# Altium PCB as_x31.PcbDoc (part 1 of 4) (continued)
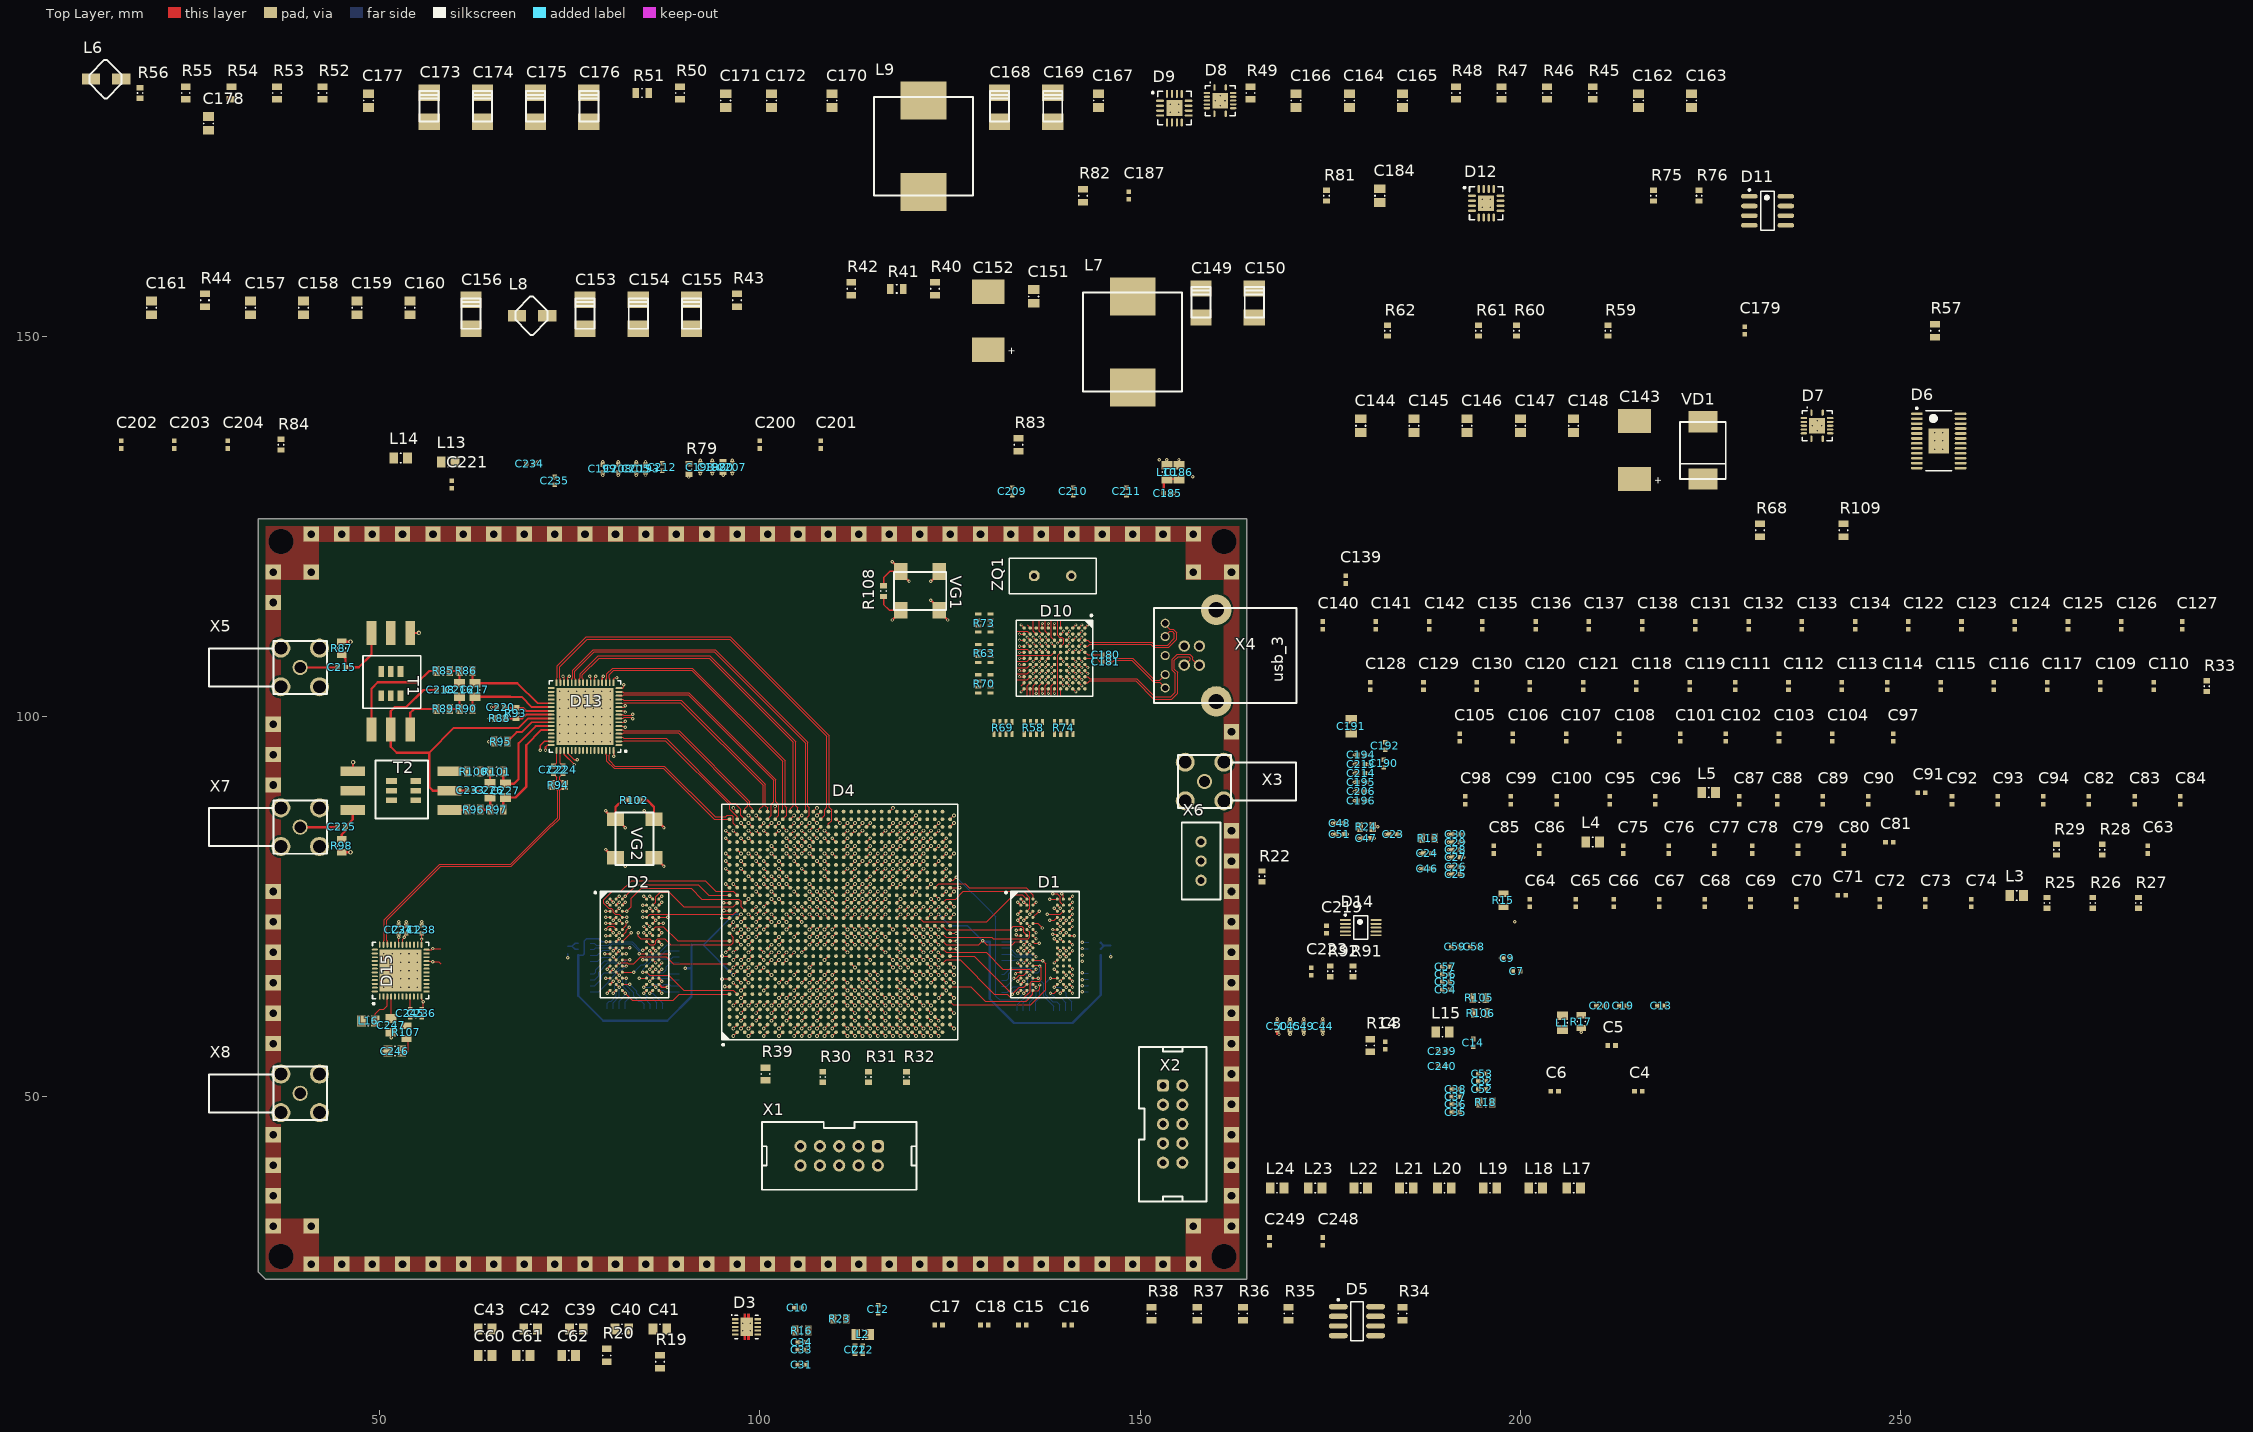
[diagram p0: Top Layer view]
## Classes and differential pairs (continued)
net class ddr0_a_c: DDR0_A0 DDR0_A1 DDR0_A2 DDR0_A3 DDR0_A4 DDR0_A5 DDR0_A6 DDR0_A7 DDR0_A8 DDR0_A9 DDR0_A10 DDR0_A11 DDR0_A12 DDR0_A13 DDR0_A14 DDR0_BA0 DDR0_BA1 DDR0_BA2 DDR0_CAS DDR0_CK_N DDR0_CK_P DDR0_CS DDR0_RAS DDR0_WE
differential pair D_ADC_CLK_: +ADC_CLK_P -ADC_CLK_N
differential pair D_ADC_D0_: +ADC_D0_P -ADC_D0_N
differential pair D_ADC_D1_: +ADC_D1_P -ADC_D1_N
differential pair D_ADC_D2_: +ADC_D2_P -ADC_D2_N
differential pair D_ADC_D3_: +ADC_D3_P -ADC_D3_N
differential pair D_ADC_D4_: +ADC_D4_P -ADC_D4_N
differential pair D_ADC_D5_: +ADC_D5_P -ADC_D5_N
differential pair D_ADC_D6_: +ADC_D6_P -ADC_D6_N
differential pair D_ADC_D7_: +ADC_D7_P -ADC_D7_N
differential pair D_ADC_D8_: +ADC_D8_P -ADC_D8_N
differential pair D_ADC_D9_: +ADC_D9_P -ADC_D9_N
differential pair D_ADC_D10_: +ADC_D10_P -ADC_D10_N
differential pair D_ADC_D11_: +ADC_D11_P -ADC_D11_N
differential pair D_ADC_D12_: +ADC_D12_P -ADC_D12_N
differential pair D_ADC_D13_: +ADC_D13_P -ADC_D13_N
differential pair D_ADC_DCO_: +ADC_DCO_P -ADC_DCO_N
differential pair D_DDR0_CK_: +DDR0_CK_P -DDR0_CK_N
differential pair D_DDR0_DQS0_: +DDR0_DQS0_P -DDR0_DQS0_N
differential pair D_DDR0_DQS1_: +DDR0_DQS1_P -DDR0_DQS1_N
differential pair D_DDR1_CK_: +DDR1_CK_P -DDR1_CK_N
differential pair D_DDR1_DQS0_: +DDR1_DQS0_P -DDR1_DQS0_N
differential pair D_DDR1_DQS1_: +DDR1_DQS1_P -DDR1_DQS1_N
differential pair USB: +USB_P -USB_N
differential pair SS_TX: +SS_TX_P -SS_TX_N
differential pair SS_RX: +SS_RX_P -SS_RX_N

## Components (designator, comment, footprint, x,y, rotation, side; value= is the part's Value field where it differs from the comment)
C1 "CAP 1uF 10V 0402(1005)" CAPC0402(1005)60_M 146.1,69.4 r90 bottom
C2 "CAP 1uF 10V 0402(1005)" CAPC0402(1005)60_M 74.7,69.3 r90 bottom
C3 "CAP 1uF 10V 0402(1005)" CAPC0402(1005)60_M 198.25,73 r180 bottom
C4 "CAP 1uF 10V 0402(1005)" CAPC0402(1005)60_M 215.5,50.75 r0 top
C5 "CAP 1uF 10V 0402(1005)" CAPC0402(1005)60_M 212,56.75 r0 top
C6 "CAP 1uF 10V 0402(1005)" CAPC0402(1005)60_M 204.5,50.75 r0 top
C7 "CAP 1uF 10V 0402(1005)" CAPC0402(1005)60_M 199.5,66.5 r0 top
C8 "CAP 1uF 10V 0402(1005)" CAPC0402(1005)60_M 182.25,56.75 r270 top
C9 "CAP 1uF 10V 0402(1005)" CAPC0402(1005)60_M 198.25,68.25 r180 top
C10 "CAP 1uF 10V 0402(1005)" CAPC0402(1005)60_M 105,22.25 r180 top
C11 "CAP 1uF 10V 0402(1005)" CAPC0402(1005)60_M 198.75,69.25 r180 bottom
C12 "CAP 1uF 10V 0402(1005)" CAPC0402(1005)60_M 115.55,22.075 r90 top
C13 "CAP 1uF 10V 0402(1005)" CAPC0402(1005)60_M 218.5,62 r0 top
C14 "CAP 1uF 10V 0402(1005)" CAPC0402(1005)60_M 193.775,57.1 r270 top
C15 "CAP 1uF 10V 0402(1005)" CAPC0402(1005)60_M 134.5,20 r0 top
C16 "CAP 1uF 10V 0402(1005)" CAPC0402(1005)60_M 140.5,20 r0 top
C17 "CAP 1uF 10V 0402(1005)" CAPC0402(1005)60_M 123.5,20 r0 top
C18 "CAP 1uF 10V 0402(1005)" CAPC0402(1005)60_M 129.5,20 r0 top
C19 "CAP 1uF 10V 0402(1005)" CAPC0402(1005)60_M 213.5,62 r0 top
C20 "CAP 1uF 10V 0402(1005)" CAPC0402(1005)60_M 210.5,62 r180 top
C21 "CAP 1uF 10V 0402(1005)" CAPC0402(1005)60_M 112.5,16.75 r90 top
C22 "CAP 1uF 10V 0402(1005)" CAPC0402(1005)60_M 113.5,16.75 r90 top
C23 "CAP 1uF 10V 0402(1005)" CAPC0402(1005)60_M 183.25,84.5 r180 top
C24 "CAP 1uF 10V 0402(1005)" CAPC0402(1005)60_M 187.75,82 r180 top
C25 "CAP 1uF 10V 0402(1005)" CAPC0402(1005)60_M 191.5,79.25 r180 top
C26 "CAP 1uF 10V 0402(1005)" CAPC0402(1005)60_M 191.5,80.25 r180 top
C27 "CAP 1uF 10V 0402(1005)" CAPC0402(1005)60_M 191.5,81.5 r180 top
C28 "CAP 1uF 10V 0402(1005)" CAPC0402(1005)60_M 191.5,82.5 r180 top
C29 "CAP 1uF 10V 0402(1005)" CAPC0402(1005)60_M 191.5,83.5 r180 top
C30 "CAP 1uF 10V 0402(1005)" CAPC0402(1005)60_M 191.5,84.5 r180 top
C31 "CAP 1uF 10V 0402(1005)" CAPC0402(1005)60_M 105.5,14.75 r180 top
C32 "CAP 1uF 10V 0402(1005)" CAPC0402(1005)60_M 194.95,52.025 r0 top
C33 "CAP 1uF 10V 0402(1005)" CAPC0402(1005)60_M 105.5,16.75 r180 top
C34 "CAP 1uF 10V 0402(1005)" CAPC0402(1005)60_M 105.5,17.75 r180 top
C35 "CAP 1uF 10V 0402(1005)" CAPC0402(1005)60_M 191.5,48 r180 top
C36 "CAP 1uF 10V 0402(1005)" CAPC0402(1005)60_M 191.5,49 r180 top
C37 "CAP 1uF 10V 0402(1005)" CAPC0402(1005)60_M 191.5,50 r180 top
C38 "CAP 1uF 10V 0402(1005)" CAPC0402(1005)60_M 191.5,51 r180 top
C39 "CAP_0805" CAPC0805(2012)100_N 75.85,19.5 r0 top
C40 "CAP_0805" CAPC0805(2012)100_N 81.85,19.5 r0 top
C41 "CAP_0805" CAPC0805(2012)100_N 86.85,19.5 r0 top
C42 "CAP_0805" CAPC0805(2012)100_N 69.85,19.5 r0 top
C43 "CAP_0805" CAPC0805(2012)100_N 63.85,19.5 r0 top
C44 "CAP 1uF 10V 0402(1005)" CAPC0402(1005)60_M 174,59.25 r90 top
C45 "CAP 1uF 10V 0402(1005)" CAPC0402(1005)60_M 169.7,59.25 r90 top
C46 "CAP 1uF 10V 0402(1005)" CAPC0402(1005)60_M 187.75,80 r180 top
C47 "CAP 1uF 10V 0402(1005)" CAPC0402(1005)60_M 179.75,84 r180 top
C48 "CAP 1uF 10V 0402(1005)" CAPC0402(1005)60_M 176.25,86 r0 top
C49 "CAP 1uF 10V 0402(1005)" CAPC0402(1005)60_M 171.5,59.25 r90 top
C50 "CAP 1uF 10V 0402(1005)" CAPC0402(1005)60_M 168,59.25 r90 top
C51 "CAP 1uF 10V 0402(1005)" CAPC0402(1005)60_M 176.25,84.5 r0 top
C52 "CAP 1uF 10V 0402(1005)" CAPC0402(1005)60_M 194.95,51.025 r0 top
C53 "CAP 1uF 10V 0402(1005)" CAPC0402(1005)60_M 194.95,53.025 r0 top
C54 "CAP 1uF 10V 0402(1005)" CAPC0402(1005)60_M 190.2,64.1 r180 top
C55 "CAP 1uF 10V 0402(1005)" CAPC0402(1005)60_M 190.2,65.1 r180 top
C56 "CAP 1uF 10V 0402(1005)" CAPC0402(1005)60_M 190.2,66.1 r180 top
C57 "CAP 1uF 10V 0402(1005)" CAPC0402(1005)60_M 190.2,67.1 r180 top
C58 "CAP 1uF 10V 0402(1005)" CAPC0402(1005)60_M 193.925,69.725 r180 top
C59 "CAP 1uF 10V 0402(1005)" CAPC0402(1005)60_M 191.425,69.725 r180 top
C60 "CAP_0805" CAPC0805(2012)100_N 63.85,16 r0 top
C61 "CAP_0805" CAPC0805(2012)100_N 68.85,16 r0 top
C62 "CAP_0805" CAPC0805(2012)100_N 74.85,16 r0 top
C63 "CAP 1uF 10V 0402(1005)" CAPC0402(1005)60_M 282.5,82.5 r90 top
C64 "CAP 1uF 10V 0402(1005)" CAPC0402(1005)60_M 201.25,75.5 r90 top
C65 "CAP 1uF 10V 0402(1005)" CAPC0402(1005)60_M 207.25,75.5 r90 top
C66 "CAP 1uF 10V 0402(1005)" CAPC0402(1005)60_M 212.25,75.5 r90 top
C67 "CAP 1uF 10V 0402(1005)" CAPC0402(1005)60_M 218.25,75.5 r90 top
C68 "CAP 1uF 10V 0402(1005)" CAPC0402(1005)60_M 224.25,75.5 r90 top
C69 "CAP 1uF 10V 0402(1005)" CAPC0402(1005)60_M 230.25,75.5 r90 top
C70 "CAP 1uF 10V 0402(1005)" CAPC0402(1005)60_M 236.25,75.5 r90 top
C71 "CAP 1uF 10V 0402(1005)" CAPC0402(1005)60_M 242.25,76.5 r0 top
C72 "CAP 1uF 10V 0402(1005)" CAPC0402(1005)60_M 247.25,75.5 r90 top
C73 "CAP 1uF 10V 0402(1005)" CAPC0402(1005)60_M 253.25,75.5 r90 top
C74 "CAP 1uF 10V 0402(1005)" CAPC0402(1005)60_M 259.25,75.5 r90 top
C75 "CAP 1uF 10V 0402(1005)" CAPC0402(1005)60_M 213.5,82.5 r90 top
C76 "CAP 1uF 10V 0402(1005)" CAPC0402(1005)60_M 219.5,82.5 r90 top
C77 "CAP 1uF 10V 0402(1005)" CAPC0402(1005)60_M 225.5,82.5 r90 top
C78 "CAP 1uF 10V 0402(1005)" CAPC0402(1005)60_M 230.5,82.5 r90 top
C79 "CAP 1uF 10V 0402(1005)" CAPC0402(1005)60_M 236.5,82.5 r90 top
C80 "CAP 1uF 10V 0402(1005)" CAPC0402(1005)60_M 242.5,82.5 r90 top
C81 "CAP 1uF 10V 0402(1005)" CAPC0402(1005)60_M 248.5,83.5 r0 top
C82 "CAP 1uF 10V 0402(1005)" CAPC0402(1005)60_M 274.75,89 r90 top
C83 "CAP 1uF 10V 0402(1005)" CAPC0402(1005)60_M 280.75,89 r90 top
C84 "CAP 1uF 10V 0402(1005)" CAPC0402(1005)60_M 286.75,89 r90 top
C85 "CAP 1uF 10V 0402(1005)" CAPC0402(1005)60_M 196.5,82.5 r90 top
C86 "CAP 1uF 10V 0402(1005)" CAPC0402(1005)60_M 202.5,82.5 r90 top
C87 "CAP 1uF 10V 0402(1005)" CAPC0402(1005)60_M 228.75,89 r90 top
C88 "CAP 1uF 10V 0402(1005)" CAPC0402(1005)60_M 233.75,89 r90 top
C89 "CAP 1uF 10V 0402(1005)" CAPC0402(1005)60_M 239.75,89 r90 top
C90 "CAP 1uF 10V 0402(1005)" CAPC0402(1005)60_M 245.75,89 r90 top
C91 "CAP 1uF 10V 0402(1005)" CAPC0402(1005)60_M 252.75,90 r0 top
C92 "CAP 1uF 10V 0402(1005)" CAPC0402(1005)60_M 256.75,89 r90 top
C93 "CAP 1uF 10V 0402(1005)" CAPC0402(1005)60_M 262.75,89 r90 top
C94 "CAP 1uF 10V 0402(1005)" CAPC0402(1005)60_M 268.75,89 r90 top
C95 "CAP 1uF 10V 0402(1005)" CAPC0402(1005)60_M 211.75,89 r90 top
C96 "CAP 1uF 10V 0402(1005)" CAPC0402(1005)60_M 217.75,89 r90 top
C97 "CAP 1uF 10V 0402(1005)" CAPC0402(1005)60_M 249,97.25 r90 top
C98 "CAP 1uF 10V 0402(1005)" CAPC0402(1005)60_M 192.75,89 r90 top
C99 "CAP 1uF 10V 0402(1005)" CAPC0402(1005)60_M 198.75,89 r90 top
C100 "CAP 1uF 10V 0402(1005)" CAPC0402(1005)60_M 204.75,89 r90 top
C101 "CAP 1uF 10V 0402(1005)" CAPC0402(1005)60_M 221,97.25 r90 top
C102 "CAP 1uF 10V 0402(1005)" CAPC0402(1005)60_M 227,97.25 r90 top
C103 "CAP 1uF 10V 0402(1005)" CAPC0402(1005)60_M 234,97.25 r90 top
C104 "CAP 1uF 10V 0402(1005)" CAPC0402(1005)60_M 241,97.25 r90 top
C105 "CAP 1uF 10V 0402(1005)" CAPC0402(1005)60_M 192,97.25 r90 top
C106 "CAP 1uF 10V 0402(1005)" CAPC0402(1005)60_M 199,97.25 r90 top
C107 "CAP 1uF 10V 0402(1005)" CAPC0402(1005)60_M 206,97.25 r90 top
C108 "CAP 1uF 10V 0402(1005)" CAPC0402(1005)60_M 213,97.25 r90 top
C109 "CAP 1uF 10V 0402(1005)" CAPC0402(1005)60_M 276.25,104 r90 top
C110 "CAP 1uF 10V 0402(1005)" CAPC0402(1005)60_M 283.25,104 r90 top
C111 "CAP 1uF 10V 0402(1005)" CAPC0402(1005)60_M 228.25,104 r90 top
C112 "CAP 1uF 10V 0402(1005)" CAPC0402(1005)60_M 235.25,104 r90 top
C113 "CAP 1uF 10V 0402(1005)" CAPC0402(1005)60_M 242.25,104 r90 top
C114 "CAP 1uF 10V 0402(1005)" CAPC0402(1005)60_M 248.25,104 r90 top
C115 "CAP 1uF 10V 0402(1005)" CAPC0402(1005)60_M 255.25,104 r90 top
C116 "CAP 1uF 10V 0402(1005)" CAPC0402(1005)60_M 262.25,104 r90 top
C117 "CAP 1uF 10V 0402(1005)" CAPC0402(1005)60_M 269.25,104 r90 top
C118 "CAP 1uF 10V 0402(1005)" CAPC0402(1005)60_M 215.25,104 r90 top
C119 "CAP 1uF 10V 0402(1005)" CAPC0402(1005)60_M 222.25,104 r90 top
C120 "CAP 1uF 10V 0402(1005)" CAPC0402(1005)60_M 201.25,104 r90 top
C121 "CAP 1uF 10V 0402(1005)" CAPC0402(1005)60_M 208.25,104 r90 top
C122 "CAP 1uF 10V 0402(1005)" CAPC0402(1005)60_M 251,112 r90 top
C123 "CAP 1uF 10V 0402(1005)" CAPC0402(1005)60_M 258,112 r90 top
C124 "CAP 1uF 10V 0402(1005)" CAPC0402(1005)60_M 265,112 r90 top
C125 "CAP 1uF 10V 0402(1005)" CAPC0402(1005)60_M 272,112 r90 top
C126 "CAP 1uF 10V 0402(1005)" CAPC0402(1005)60_M 279,112 r90 top
C127 "CAP 1uF 10V 0402(1005)" CAPC0402(1005)60_M 287,112 r90 top
C128 "CAP 1uF 10V 0402(1005)" CAPC0402(1005)60_M 180.25,104 r90 top
C129 "CAP 1uF 10V 0402(1005)" CAPC0402(1005)60_M 187.25,104 r90 top
C130 "CAP 1uF 10V 0402(1005)" CAPC0402(1005)60_M 194.25,104 r90 top
C131 "CAP 1uF 10V 0402(1005)" CAPC0402(1005)60_M 223,112 r90 top
C132 "CAP 1uF 10V 0402(1005)" CAPC0402(1005)60_M 230,112 r90 top
C133 "CAP 1uF 10V 0402(1005)" CAPC0402(1005)60_M 237,112 r90 top
C134 "CAP 1uF 10V 0402(1005)" CAPC0402(1005)60_M 244,112 r90 top
C135 "CAP 1uF 10V 0402(1005)" CAPC0402(1005)60_M 195,112 r90 top
C136 "CAP 1uF 10V 0402(1005)" CAPC0402(1005)60_M 202,112 r90 top
C137 "CAP 1uF 10V 0402(1005)" CAPC0402(1005)60_M 209,112 r90 top
C138 "CAP 1uF 10V 0402(1005)" CAPC0402(1005)60_M 216,112 r90 top
C139 "CAP 1uF 10V 0402(1005)" CAPC0402(1005)60_M 177,118 r90 top
C140 "CAP 1uF 10V 0402(1005)" CAPC0402(1005)60_M 174,112 r90 top
C141 "CAP 1uF 10V 0402(1005)" CAPC0402(1005)60_M 181,112 r90 top
C142 "CAP 1uF 10V 0402(1005)" CAPC0402(1005)60_M 188,112 r90 top
C143 "AVX_D" AVX_D 215,131.25 r90 top
C144 "CAP_0805" CAPC0805(2012)100_N 179,138.25 r90 top
C145 "CAP_0805" CAPC0805(2012)100_N 186,138.25 r90 top
C146 "CAP_0805" CAPC0805(2012)100_N 193,138.25 r90 top
C147 "CAP_0805" CAPC0805(2012)100_N 200,138.25 r90 top
C148 "CAP_0805" CAPC0805(2012)100_N 207,138.25 r90 top
C149 "avx_b" avx_b 158,152.25 r90 top
C150 "avx_b" avx_b 165,152.25 r90 top
C151 "CAP_0805" CAPC0805(2012)100_N 136,155.25 r90 top
C152 "AVX_D" AVX_D 130,148.25 r90 top
C153 "avx_b" avx_b 77,150.75 r90 top
C154 "avx_b" avx_b 84,150.75 r90 top
C155 "avx_b" avx_b 91,150.75 r90 top
C156 "avx_b" avx_b 62,150.75 r90 top
C157 "CAP_0805" CAPC0805(2012)100_N 33,153.75 r90 top
C158 "CAP_0805" CAPC0805(2012)100_N 40,153.75 r90 top
C159 "CAP_0805" CAPC0805(2012)100_N 47,153.75 r90 top
C160 "CAP_0805" CAPC0805(2012)100_N 54,153.75 r90 top
C161 "CAP_0805" CAPC0805(2012)100_N 20,153.75 r90 top
C162 "CAP_0805" CAPC0805(2012)100_N 215.5,181 r90 top
C163 "CAP_0805" CAPC0805(2012)100_N 222.5,181 r90 top
C164 "CAP_0805" CAPC0805(2012)100_N 177.5,181 r90 top
C165 "CAP_0805" CAPC0805(2012)100_N 184.5,181 r90 top
C166 "CAP_0805" CAPC0805(2012)100_N 170.5,181 r90 top
C167 "CAP_0805" CAPC0805(2012)100_N 144.5,181 r90 top
C168 "avx_b" avx_b 131.5,178 r90 top
C169 "avx_b" avx_b 138.5,178 r90 top
C170 "CAP_0805" CAPC0805(2012)100_N 109.5,181 r90 top
C171 "CAP_0805" CAPC0805(2012)100_N 95.5,181 r90 top
C172 "CAP_0805" CAPC0805(2012)100_N 101.5,181 r90 top
C173 "avx_b" avx_b 56.5,178 r90 top
C174 "avx_b" avx_b 63.5,178 r90 top
C175 "avx_b" avx_b 70.5,178 r90 top
C176 "avx_b" avx_b 77.5,178 r90 top
C177 "CAP_0805" CAPC0805(2012)100_N 48.5,181 r90 top
C178 "CAP_0805" CAPC0805(2012)100_N 27.5,178 r90 top
C179 "CAP 1uF 10V 0402(1005)" CAPC0402(1005)60_M 229.5,150.75 r90 top
C180 "CAP 1uF 10V 0402(1005)" CAPC0402(1005)60_M 145.5,108.1 r180 top
C181 "CAP 1uF 10V 0402(1005)" CAPC0402(1005)60_M 145.5,107.2 r180 top
C182 "CAP_0805" CAPC0805(2012)100_N 134,118.5 r90 bottom
C183 "CAP_0805" CAPC0805(2012)100_N 143,118.5 r90 bottom
C184 "CAP_0805" CAPC0805(2012)100_N 181.5,168.5 r90 top
C185 "CAP 1uF 10V 0402(1005)" CAPC0402(1005)60_M 153.6,129.35 r180 top
C186 "CAP_0805" CAPC0805(2012)100_N 155.1,132.15 r270 top
C187 "CAP 1uF 10V 0402(1005)" CAPC0402(1005)60_M 148.5,168.5 r90 top
C188 "CAP 1uF 10V 0402(1005)" CAPC0402(1005)60_M 156.4,128.35 r180 bottom
C189 "CAP_0805" CAPC0805(2012)100_N 155.3,131.55 r180 bottom
C190 "CAP 1uF 10V 0402(1005)" CAPC0402(1005)60_M 182.05,93.85 r270 top
C191 "CAP_0805" CAPC0805(2012)100_N 177.75,98.75 r270 top
C192 "CAP 1uF 10V 0402(1005)" CAPC0402(1005)60_M 182.25,96.15 r270 top
C193 "CAP 1uF 10V 0402(1005)" CAPC0402(1005)60_M 84.95,132.6 r270 top
C194 "CAP 1uF 10V 0402(1005)" CAPC0402(1005)60_M 179.05,94.95 r180 top
C195 "CAP 1uF 10V 0402(1005)" CAPC0402(1005)60_M 179.05,91.35 r180 top
C196 "CAP 1uF 10V 0402(1005)" CAPC0402(1005)60_M 179.05,88.95 r180 top
C197 "CAP 1uF 10V 0402(1005)" CAPC0402(1005)60_M 93.75,132.8 r90 top
C198 "CAP 1uF 10V 0402(1005)" CAPC0402(1005)60_M 92.15,132.8 r90 top
C199 "CAP 1uF 10V 0402(1005)" CAPC0402(1005)60_M 79.35,132.6 r270 top
C200 "CAP 1uF 10V 0402(1005)" CAPC0402(1005)60_M 100,135.75 r90 top
C201 "CAP 1uF 10V 0402(1005)" CAPC0402(1005)60_M 108,135.75 r90 top
C202 "CAP 1uF 10V 0402(1005)" CAPC0402(1005)60_M 16,135.75 r90 top
C203 "CAP 1uF 10V 0402(1005)" CAPC0402(1005)60_M 23,135.75 r90 top
C204 "CAP 1uF 10V 0402(1005)" CAPC0402(1005)60_M 30,135.75 r90 top
C205 "CAP 1uF 10V 0402(1005)" CAPC0402(1005)60_M 83.75,132.6 r270 top
C206 "CAP 1uF 10V 0402(1005)" CAPC0402(1005)60_M 179.05,90.15 r180 top
C207 "CAP 1uF 10V 0402(1005)" CAPC0402(1005)60_M 96.35,132.8 r90 top
C208 "CAP 1uF 10V 0402(1005)" CAPC0402(1005)60_M 81.35,132.6 r270 top
C209 "CAP 1uF 10V 0402(1005)" CAPC0402(1005)60_M 133.2,129.6 r90 top
C210 "CAP 1uF 10V 0402(1005)" CAPC0402(1005)60_M 141.2,129.6 r90 top
C211 "CAP 1uF 10V 0402(1005)" CAPC0402(1005)60_M 148.2,129.6 r90 top
C212 "CAP 1uF 10V 0402(1005)" CAPC0402(1005)60_M 87.15,132.8 r270 top
C213 "CAP 1uF 10V 0402(1005)" CAPC0402(1005)60_M 179.05,93.75 r180 top
C214 "CAP 1uF 10V 0402(1005)" CAPC0402(1005)60_M 179.05,92.55 r180 top
C215 "CAP 1uF 10V 0402(1005)" CAPC0402(1005)60_M 45,106.5 r0 top
C216 "CAP_0805" CAPC0805(2012)100_N 60.5,103.5 r90 top
C217 "CAP_0805" CAPC0805(2012)100_N 62.5,103.5 r90 top
C218 "CAP 1uF 10V 0402(1005)" CAPC0402(1005)60_M 58,103.5 r0 top
C219 "CAP 1uF 10V 0402(1005)" CAPC0402(1005)60_M 174.5,72 r90 top
C220 "CAP 1uF 10V 0402(1005)" CAPC0402(1005)60_M 65.9,101.2 r180 top
C221 "CAP 1uF 10V 0402(1005)" CAPC0402(1005)60_M 59.45,130.5 r90 top
C222 "CAP 1uF 10V 0402(1005)" CAPC0402(1005)60_M 72.85,93 r90 top
C223 "CAP 1uF 10V 0402(1005)" CAPC0402(1005)60_M 172.5,66.5 r90 top
C224 "CAP 1uF 10V 0402(1005)" CAPC0402(1005)60_M 74.1,93 r90 top
C225 "CAP 1uF 10V 0402(1005)" CAPC0402(1005)60_M 45,85.5 r0 top
C226 "CAP_0805" CAPC0805(2012)100_N 64.5,90.3 r270 top
C227 "CAP_0805" CAPC0805(2012)100_N 66.54,90.26 r270 top
C228 "CAP 1uF 10V 0402(1005)" CAPC0402(1005)60_M 69.25,130.5 r90 bottom
C229 "CAP 1uF 10V 0402(1005)" CAPC0402(1005)60_M 67,136.5 r270 bottom
C230 "CAP 1uF 10V 0402(1005)" CAPC0402(1005)60_M 63.25,131 r180 bottom
C231 "CAP 1uF 10V 0402(1005)" CAPC0402(1005)60_M 64.5,133.75 r180 bottom
C232 "CAP 1uF 10V 0402(1005)" CAPC0402(1005)60_M 64.5,134.75 r180 bottom
C233 "CAP 1uF 10V 0402(1005)" CAPC0402(1005)60_M 62,90.3 r0 top
C234 "CAP 1uF 10V 0402(1005)" CAPC0402(1005)60_M 69.75,133.25 r180 top
C235 "CAP 1uF 10V 0402(1005)" CAPC0402(1005)60_M 73,131 r270 top
C236 "CAP 1uF 10V 0402(1005)" CAPC0402(1005)60_M 55.5,61 r90 top
C237 "CAP 1uF 10V 0402(1005)" CAPC0402(1005)60_M 52.5,72 r270 top
C238 "CAP 1uF 10V 0402(1005)" CAPC0402(1005)60_M 55.5,72 r270 top
C239 "CAP 1uF 10V 0402(1005)" CAPC0402(1005)60_M 189.75,56 r180 top
C240 "CAP 1uF 10V 0402(1005)" CAPC0402(1005)60_M 189.75,54 r180 top
C241 "CAP 1uF 10V 0402(1005)" CAPC0402(1005)60_M 53.5,72 r270 top
C242 "CAP 1uF 10V 0402(1005)" CAPC0402(1005)60_M 39.5,53 r90 bottom
C243 "CAP 1uF 10V 0402(1005)" CAPC0402(1005)60_M 42.5,65.1 r270 bottom
C244 "CAP 1uF 10V 0402(1005)" CAPC0402(1005)60_M 43.9,65.1 r270 bottom
C245 "CAP 1uF 10V 0402(1005)" CAPC0402(1005)60_M 54,61 r90 top
C246 "CAP_0805" CAPC0805(2012)100_N 52,56 r0 top
C247 "CAP_0805" CAPC0805(2012)100_N 51.5,59.4 r90 top
C248 "CAP 1uF 10V 0402(1005)" CAPC0402(1005)60_M 174,31 r90 top
C249 "CAP 1uF 10V 0402(1005)" CAPC0402(1005)60_M 167,31 r90 top
D1 "MT41J256M16HA-125" MICT-HA-96 137.5,70 r0 top locked
D2 "MT41J256M16HA-125" MICT-HA-96 83.5,70 r0 top locked
D3 "TPS51200DRCT" TI-DRC10-2400X1650TP_V 98.25,19.75 r0 top
D4 "5CEFA7F31C8N" ALTR-896-FBGA-2000A 110.5,73 r90 top locked
D5 "SN65HVD78" 8S1_M 178.5,20.5 r0 top
D6 "LTC3615EFE#PBF" LT-FE-24-EPV-AA_N 255,136.25 r0 top
D7 "TPS54620RGYR" RGY14-2050X2050TP 239,138.25 r0 top
D8 "TPS54620RGYR" RGY14-2050X2050TP 160.5,181 r0 top
D9 "ADP1741" CP-16-4_N 154.5,180 r0 top
D10 "CYUSB3014" BGA121C80P11X11 138.729,107.646 r270 top locked
D11 "AT24C64(soic)" 8S1_N 232.5,166.5 r0 top
D12 "ADP1741" CP-16-4_N 195.5,167.5 r0 top
D13 "AD9640ABCPZ-125" CP-64-6_N 77,100 r180 top
D14 "AD5322ARM" RM-10_L 179,72.25 r0 top
D15 "AD9517-4ABCPZ" ADI-CP-48-8_L 52.75,66.6 r90 top
L1 "BLM21PG300SN1D" CAPC0805(2012)100_N 205.5,59.75 r90 top
L2 "BLM21PG300SN1D" CAPC0805(2012)100_N 113.5,18.75 r0 top
L3 "BLM21PG300SN1D" CAPC0805(2012)100_N 265.25,76.5 r0 top
L4 "BLM21PG300SN1D" CAPC0805(2012)100_N 209.5,83.5 r0 top
L5 "BLM21PG300SN1D" CAPC0805(2012)100_N 224.75,90 r0 top
L6 "IND_Sumida_CDRH3D16" IND_Sumida_CDRH3D16 13.986,183.865 r0 top
L7 "ind_cdr127_sumida" IND_CDR127_Sumida 149,149.25 r0 top
L8 "IND_Sumida_CDRH3D16" IND_Sumida_CDRH3D16 70,152.75 r0 top
L9 "ind_cdr127_sumida" IND_CDR127_Sumida 121.5,175 r0 top
L10 "BLM21PG300SN1D" CAPC0805(2012)100_N 153.5,132.15 r270 top
L11 "BLM21PG300SN1D" CAPC0805(2012)100_N 152.5,132.15 r270 bottom
L12 "BLM21PG300SN1D" CAPC0805(2012)100_N 181.85,90.65 r270 bottom
L13 "BLM21PG300SN1D" CAPC0805(2012)100_N 59,133.5 r0 top
L14 "BLM21PG300SN1D" CAPC0805(2012)100_N 52.75,134 r0 top
L15 "BLM21PG300SN1D" CAPC0805(2012)100_N 189.75,58.5 r0 top
L16 "BLM21PG300SN1D" CAPC0805(2012)100_N 48.5,60 r180 top
L17 "BLM21PG300SN1D" CAPC0805(2012)100_N 207,38 r0 top
L18 "BLM21PG300SN1D" CAPC0805(2012)100_N 202,38 r0 top
L19 "BLM21PG300SN1D" CAPC0805(2012)100_N 196,38 r0 top
L20 "BLM21PG300SN1D" CAPC0805(2012)100_N 190,38 r0 top
L21 "BLM21PG300SN1D" CAPC0805(2012)100_N 185,38 r0 top
L22 "BLM21PG300SN1D" CAPC0805(2012)100_N 179,38 r0 top
L23 "BLM21PG300SN1D" CAPC0805(2012)100_N 173,38 r0 top
L24 "BLM21PG300SN1D" CAPC0805(2012)100_N 168,38 r0 top
R1 "51" CAY16 144,70.25 r270 bottom
R2 "51" CAY16 76.9,67.8 r90 bottom
R3 "51" CAY16 131,63.75 r90 bottom
R4 "51" CAY16 131,67.975 r90 bottom
R5 "51" CAY16 76.9,63.8 r90 bottom
R6 "51" CAY16 144,66.25 r270 bottom
R7 "51" CAY16 90.2,70 r270 bottom
R8 "51" CAY16 87.2,60.8 r180 bottom
R9 "51" CAY16 136.25,60.5 r180 bottom
R10 "51" CAY16 82.3,60.8 r180 bottom
R11 "51" CAY16 141,60.5 r180 bottom
R12 "51" CAY16 90.2,66.2 r270 bottom
R13 "1K 1% 0805(2012)" RESC0805(2012)_L 187.9,84 r0 top
R14 "1K 1% 0805(2012)" RESC0805(2012)_L 180.25,56.75 r90 top
R15 "1K 1% 0805(2012)" RESC0805(2012)_L 197.75,75.85 r270 top
R16 "1K 1% 0805(2012)" RESC0805(2012)_L 105.5,19.25 r180 top
R17 "1K 1% 0805(2012)" RESC0805(2012)_L 208,59.9 r90 top
R18 "1K 1% 0805(2012)" RESC0805(2012)_L 195.45,49.275 r0 top
R19 "1K 1% 0805(2012)" RESC0805(2012)_L 86.85,15.15 r90 top
R20 "1K 1% 0805(2012)" RESC0805(2012)_L 79.85,16 r90 top
R22 "240" RESC0603(1608)_L 166,79 r90 top
R23 "1K 1% 0805(2012)" RESC0805(2012)_L 110.475,20.825 r180 top
R24 "1K 1% 0805(2012)" RESC0805(2012)_L 179.75,85.5 r0 top
R25 "1K 5% 0603(1608)" RESC0603(1608)_L 269.25,75.5 r90 top
R26 "1K 5% 0603(1608)" RESC0603(1608)_L 275.25,75.5 r90 top
R27 "1K 5% 0603(1608)" RESC0603(1608)_L 281.25,75.5 r90 top
R28 "1K 5% 0603(1608)" RESC0603(1608)_L 276.5,82.5 r90 top
R29 "1K 5% 0603(1608)" RESC0603(1608)_L 270.5,82.5 r90 top
R30 "1K 5% 0603(1608)" RESC0603(1608)_L 108.25,52.6 r90 top
R31 "1K 5% 0603(1608)" RESC0603(1608)_L 114.25,52.6 r90 top
R32 "1K 5% 0603(1608)" RESC0603(1608)_L 119.25,52.6 r90 top
R33 "1K 5% 0603(1608)" RESC0603(1608)_L 290.25,104 r90 top
R34 "1K 1% 0805(2012)" RESC0805(2012)_L 184.5,21.5 r90 top
R35 "1K 1% 0805(2012)" RESC0805(2012)_L 169.5,21.5 r90 top
R36 "1K 1% 0805(2012)" RESC0805(2012)_L 163.5,21.5 r90 top
R37 "1K 1% 0805(2012)" RESC0805(2012)_L 157.5,21.5 r90 top
R38 "1K 1% 0805(2012)" RESC0805(2012)_L 151.5,21.5 r90 top
R39 "1K 1% 0805(2012)" RESC0805(2012)_L 100.75,53 r90 top
R40 "1K 1% 0805(2012)" RESC0805(2012)_L 123,156.25 r90 top
R41 "1K 1% 0805(2012)" RESC0805(2012)_L 118,156.25 r0 top
R42 "1K 1% 0805(2012)" RESC0805(2012)_L 112,156.25 r90 top
R43 "1K 1% 0805(2012)" RESC0805(2012)_L 97,154.75 r90 top
R44 "1K 1% 0805(2012)" RESC0805(2012)_L 27,154.75 r90 top
R45 "1K 1% 0805(2012)" RESC0805(2012)_L 209.5,182 r90 top
R46 "1K 1% 0805(2012)" RESC0805(2012)_L 203.5,182 r90 top
R47 "1K 1% 0805(2012)" RESC0805(2012)_L 197.5,182 r90 top
R48 "1K 1% 0805(2012)" RESC0805(2012)_L 191.5,182 r90 top
R49 "1K 1% 0805(2012)" RESC0805(2012)_L 164.5,182 r90 top
R50 "1K 1% 0805(2012)" RESC0805(2012)_L 89.5,182 r90 top
R51 "1K 1% 0805(2012)" RESC0805(2012)_L 84.5,182 r0 top
R52 "1K 1% 0805(2012)" RESC0805(2012)_L 42.5,182 r90 top
R53 "1K 1% 0805(2012)" RESC0805(2012)_L 36.5,182 r90 top
R54 "1K 1% 0805(2012)" RESC0805(2012)_L 30.5,182 r90 top
R55 "1K 1% 0805(2012)" RESC0805(2012)_L 24.5,182 r90 top
R56 "1K 5% 0603(1608)" RESC0603(1608)_L 18.5,182 r90 top
R57 "1K 1% 0805(2012)" RESC0805(2012)_L 254.5,150.75 r90 top
R58 "22" CAY16 134.75,98.5 r0 top
R59 "1K 5% 0603(1608)" RESC0603(1608)_L 211.5,150.75 r90 top
R60 "???" RESC0603(1608)_L 199.5,150.75 r90 top
R61 "1K 5% 0603(1608)" RESC0603(1608)_L 194.5,150.75 r90 top
R62 "1K 5% 0603(1608)" RESC0603(1608)_L 182.5,150.75 r90 top
R63 "22" CAY16 129.5,109.5 r270 top
R64 "22" CAY16 129.5,102.5 r90 bottom
R65 "22" CAY16 137.75,98.5 r180 bottom
R66 "22" CAY16 129.5,106.5 r90 bottom
R67 "Value" CAY16 141.75,98.5 r180 bottom
R68 "1K 1% 0805(2012)" RESC0805(2012)_L 231.5,124.5 r90 top
R69 "22" CAY16 130.75,98.5 r0 top
R70 "22" CAY16 129.5,105.5 r270 top
R71 "22" CAY16 133.75,98.5 r180 bottom
R72 "22" CAY16 129.5,110.5 r90 bottom
R73 "22" CAY16 129.5,113.5 r270 top
R74 "22" CAY16 138.75,98.5 r0 top
R75 "1K 5% 0603(1608)" RESC0603(1608)_L 217.5,168.5 r90 top
R76 "1K 5% 0603(1608)" RESC0603(1608)_L 223.5,168.5 r90 top
R77 "1K 5% 0603(1608)" RESC0603(1608)_L 80.45,132.7 r90 bottom
R78 "1K 5% 0603(1608)" RESC0603(1608)_L 78.45,132.7 r90 bottom
R79 "1K 5% 0603(1608)" RESC0603(1608)_L 90.65,132.55 r270 top
R80 "1K 5% 0603(1608)" RESC0603(1608)_L 95.15,132.8 r270 top
R81 "1K 5% 0603(1608)" RESC0603(1608)_L 174.5,168.5 r90 top
R82 "1K 1% 0805(2012)" RESC0805(2012)_L 142.5,168.5 r90 top
R83 "1K 1% 0805(2012)" RESC0805(2012)_L 134,135.75 r90 top
R84 "1K 5% 0603(1608)" RESC0603(1608)_L 37,135.75 r90 top
R85 "1K 1% 0805(2012)" RESC0805(2012)_L 58.35,106 r180 top
R86 "1K 1% 0805(2012)" RESC0805(2012)_L 61.35,106 r180 top
R87 "1K 1% 0805(2012)" RESC0805(2012)_L 45,109 r270 top
R88 "1K 5% 0603(1608)" RESC0603(1608)_L 65.8,99.75 r0 top
R89 "1K 1% 0805(2012)" RESC0805(2012)_L 58.35,101 r180 top
R90 "1K 1% 0805(2012)" RESC0805(2012)_L 61.35,101 r180 top
R91 "1k" RESC0603(1608)_L 178,66.5 r90 top
R92 "1k" RESC0603(1608)_L 175,66.5 r90 top
R93 "1K 5% 0603(1608)" RESC0603(1608)_L 67.9,100.45 r90 top
R94 "100" RESC0805(2012)_L 73.5,91 r180 top
R95 "10k 1%" RESC0805(2012)_L 65.9,96.7 r180 top
R96 "1K 1% 0805(2012)" RESC0805(2012)_L 62.39,87.76 r180 top
R97 "1K 1% 0805(2012)" RESC0805(2012)_L 65.39,87.76 r180 top
R98 "1K 1% 0805(2012)" RESC0805(2012)_L 45,83 r90 top
R99 "000" RESC0603(1608)_L 73.25,135.5 r90 bottom
R100 "1K 1% 0805(2012)" RESC0805(2012)_L 62.39,92.76 r180 top
R101 "1K 1% 0805(2012)" RESC0805(2012)_L 65.39,92.76 r180 top
R102 "1K 5% 0603(1608)" RESC0603(1608)_L 83.5,89 r180 top
R103 "1K 1% 0805(2012)" RESC0805(2012)_L 42,55.5 r0 bottom
R104 "1K 1% 0805(2012)" RESC0805(2012)_L 39,55.5 r0 bottom
R105 "1K 1% 0805(2012)" RESC0805(2012)_L 194.6,63 r180 top
R106 "1K 1% 0805(2012)" RESC0805(2012)_L 194.75,61 r180 top
R107 "1K 1% 0805(2012)" RESC0805(2012)_L 53.5,58.5 r270 top
R108 "1K 5% 0603(1608)" RESC0603(1608)_L 116.25,116.5 r270 top
R109 "1K 1% 0805(2012)" RESC0805(2012)_L 242.5,124.5 r90 top
T1 "TT1-6" TT!-6-KK81 54,111 r180 top
T2 "TT1-6" TT!-6-KK81 46.46,92.8 r270 top
VD1 "30BQ60" SMC 224,135.25 r90 top
VD2 "BAV99" SO-G3/X.9 40.55,57.65 r0 bottom
VG1 "kxo-v97" kxo-v97 118.5,114 r0 top
VG2 "kxo-v97" kxo-v97 81,86.5 r270 top
X1 "IDC10" IDC10M 115.5,43.5 r0 top
X2 "IDC10" IDC10M 153,51.5 r90 top
X3 "sma" sma 158.46,91.46 r180 top
X4 "USB_3_B" USB3_B 153.29,108.02 r90 top
X5 "sma" sma 39.54,106.46 r0 top
X6 "HU-3" HU-3 158,78.46 r90 top
X7 "sma" sma 39.54,85.46 r0 top
X8 "sma" sma 39.54,50.46 r0 top
ZQ1 "Resonator" BCY-W2/E4.7 138.5,118.5 r0 top

## Footprints (in the part's own frame and the unit in brackets; to place one, negate y for a bottom-side part, rotate by r counter-clockwise, add the part's x,y. Pads: shape width x height; smd on the part's side, far side on the other; paste and mask are expansions set on the pad)
8S1_M [mm] "SOIC, 8-Leads, Body 4.9x3.9mm, Pitch 1.27mm, IPC Low Density"
  oval 2.5x0.7 smd: 1(-2.45,1.905) 2(-2.45,0.635) 3(-2.45,-0.635) 4(-2.45,-1.905) 5(2.45,-1.905) 6(2.45,-0.635) 7(2.45,0.635) 8(2.45,1.905)
  silkscreen extent -2.57,-2.55 0.8,2.93, body extent -1.99,-2.52 1.99,2.52, height 1.75
8S1_N [mm] "SOIC, 8-Leads, Body 4.9x3.9mm, Pitch 1.27mm, IPC Medium Density"
  oval 2.2x0.6 smd: 1(-2.4,1.905) 2(-2.4,0.635) 3(-2.4,-0.635) 4(-2.4,-1.905) 5(2.4,-1.905) 6(2.4,-0.635) 7(2.4,0.635) 8(2.4,1.905)
  silkscreen extent -2.52,-2.55 0.9,2.88, body extent -1.99,-2.52 1.99,2.52, height 1.75
ADI-CP-48-8_L [mm] "QFN, 48-Leads, Body 7x7mm, Pitch 0.5mm, Thermal Pad 5.5x5.5mm, IPC High Density"
  oval 0.8x0.25 smd: 1(-3.4,2.75) 2(-3.4,2.25) 3(-3.4,1.75) 4(-3.4,1.25) 5(-3.4,0.75) 6(-3.4,0.25) 7(-3.4,-0.25) 8(-3.4,-0.75) 9(-3.4,-1.25) 10(-3.4,-1.75) 11(-3.4,-2.25) 12(-3.4,-2.75) 25(3.4,-2.75) 26(3.4,-2.25) 27(3.4,-1.75) 28(3.4,-1.25) 29(3.4,-0.75) 30(3.4,-0.25) 31(3.4,0.25) 32(3.4,0.75) 33(3.4,1.25) 34(3.4,1.75) 35(3.4,2.25) 36(3.4,2.75)
  oval 0.25x0.8 smd: 13(-2.75,-3.4) 14(-2.25,-3.4) 15(-1.75,-3.4) 16(-1.25,-3.4) 17(-0.75,-3.4) 18(-0.25,-3.4) 19(0.25,-3.4) 20(0.75,-3.4) 21(1.25,-3.4) 22(1.75,-3.4) 23(2.25,-3.4) 24(2.75,-3.4) 37(2.75,3.4) 38(2.25,3.4) 39(1.75,3.4) 40(1.25,3.4) 41(0.75,3.4) 42(0.25,3.4) 43(-0.25,3.4) 44(-0.75,3.4) 45(-1.25,3.4) 46(-1.75,3.4) 47(-2.25,3.4) 48(-2.75,3.4)
  rect 5.5x5.5 smd: 49(0,0)
  silkscreen extent -4.47,-3.7 3.7,3.7, body extent -3.55,-3.55 3.55,3.55, height 1